# KiCad board ADHW.kicad_pcb (continued)
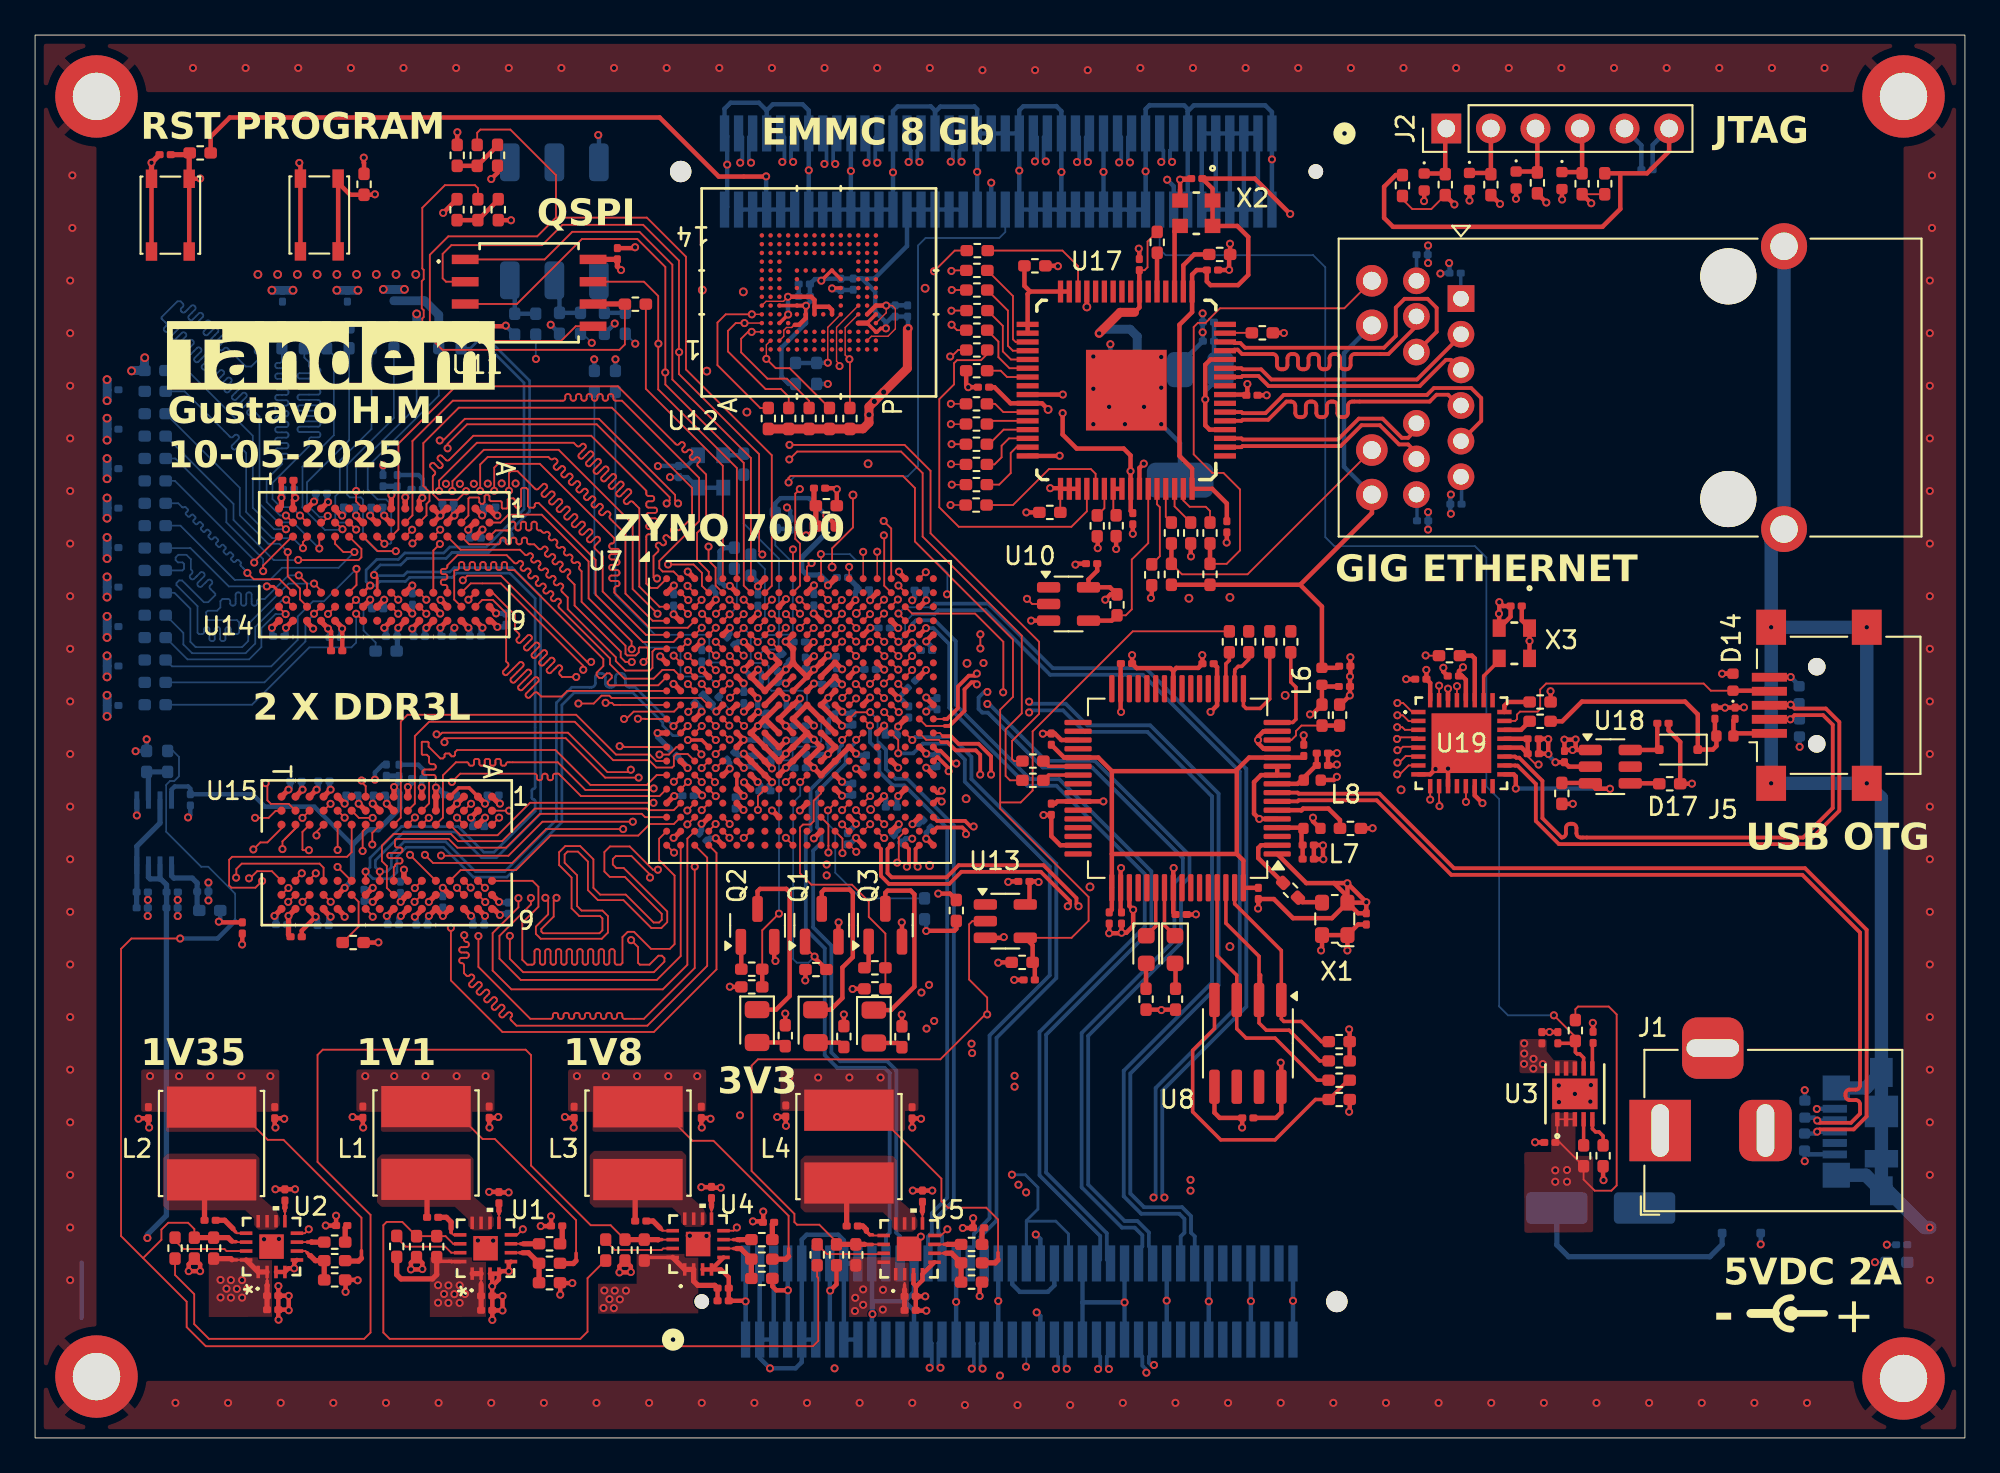
[diagram p0: board, top side]
## Nets (continued)
+3V3: C36.2 C39.2 C41.2 C43.2 C46.2 C48.2 C51.2 C53.2 C56.2 C57.2 C60.2 C61.2 C62.2 C63.2 C64.2 C65.2 C70.2 C76.2 C81.2 C84.2 C89.1 C91.1 C92.1 C96.1 C103.1 C104.1 C105.1 C106.1 C108.1 C110.1 C111.1 C112.1 C113.1 C115.1 C116.1 C117.1 C118.1 C119.1 C178.1 C181.1 C182.1 C197.1 C199.1 J2.6 J6.3 J6.4 J6.5 J6.6 J6.9 J6.10 J6.11 J6.12 J6.15 J6.16 J6.17 J6.18 J7.46 J7.48 J7.50 J7.52 J7.54 L4.2 L7.1 L8.1 R26.1 R28.2 R29.1 R30.2 R31.2 R32.2 R33.2 R45.2 R48.2 R53.2 R54.2 R55.2 R58.2 R65.2 R66.2 R77.2 R79.2 R80.1 R81.2 R82.2 R84.2 R85.2 R89.1 R90.2 R91.2 R94.1 R149.2 R166.2 SW2.6 U7.B6 U7.C19 U7.D7 U7.F18 U7.H14 U7.J17 U7.K6 U7.K20 U7.M6 U7.M16 U7.N6 U7.N19 U7.R6 U7.R15 U7.T6 U7.T8 U7.T18 U7.U11 U7.V14 U7.W7 U7.W17 U7.Y10 U7.Y20 U8.8 U9.20 U9.31 U9.42 U9.50 U9.56 U10.5 U11.8 U12.C2 U12.C6 U12.E6 U12.F5 U12.J10 U12.K9 U12.M4 U12.N4 U12.P3 U12.P5 U13.5 U16.1 U17.23 U17.41 U17.57 U19.20 U19.21 X1.1 X1.4 Y1.1 Y1.4
+5V: C2.2 C3.2 C4.2 C5.2 C17.1 C20.2 C21.2 C22.2 C23.2 C24.2 C32.1 C194.1 R2.1 R7.1 R8.1 R22.1 R23.1 U1.1 U1.2 U1.8 U1.16 U2.1 U2.2 U2.8 U2.16 U3.8 U3.9 U3.10 U4.1 U4.2 U4.8 U4.16 U5.1 U5.2 U5.8 U5.16 U6.6 U6.7 U18.1
+5V_USB: C90.1 J3.1 J4.14 J4.16 L6.1 R155.2 R156.2
+5V_USB_OTG_BUS: C192.1 J5.1 L9.2
+5V_USB_OTG_PHY: C193.1 D17.1 L9.1 R157.2
+12V: C10.1 D1.1 D9.1 R6.1 R14.2 U3.1 U3.2 U3.3
+VCC: J7.3 J7.4 J7.5 J7.6 J7.7 J7.8 J7.9 J7.10 J7.11 J7.12
GND: C1.2 C2.1 C3.1 C4.1 C5.1 C6.1 C7.1 C8.1 C9.1 C10.2 C11.2 C12.2 C15.1 C16.1 C17.2 C18.1 C19.1 C20.1 C21.1 C22.1 C23.1 C24.1 C25.1 C26.1 C27.1 C28.1 C29.1 C32.2 C33.1 C34.1 C35.1 C36.1 C37.1 C38.1 C39.1 C40.1 C41.1 C42.1 C43.1 C44.1 C45.1 C46.1 C47.1 C48.1 C49.1 C50.1 C51.1 C52.1 C53.1 C54.1 C55.1 C56.1 C57.1 C58.1 C59.1 C60.1 C61.1 C62.1 C63.1 C64.1 C65.1 C67.1 C68.1 C69.1 C70.1 C71.1 C72.1 C73.1 C74.1 C75.1 C76.1 C77.1 C78.1 C79.1 C80.1 C81.1 C82.1 C83.1 C84.1 C85.1 C86.1 C87.1 C88.1 C89.2 C90.2 C91.2 C92.2 C93.2 C94.2 C95.2 C96.2 C97.2 C98.2 C99.2 C100.2 C101.2 C102.2 C103.2 C104.2 C105.2 C106.2 C107.2 C108.2 C109.2 C110.2 C111.2 C112.2 C113.2 C114.2 C115.2 C116.2 C117.2 C118.2 C119.2 C120.2 C121.2 C122.2 C123.2 C124.2 C125.2 C126.2 C127.2 C128.2 C129.2 C130.2 C131.2 C132.2 C133.2 C134.2 C135.2 C136.2 C137.2 C138.2 C139.2 C140.2 C141.2 C142.2 C143.2 C144.2 C145.2 C146.2 C147.2 C148.2 C149.2 C150.2 C151.2 C152.2 C153.2 C155.2 C156.2 C157.2 C158.2 C159.2 C160.2 C161.2 C162.2 C163.2 C164.2 C165.2 C166.2 C167.2 C168.2 C169.2 C170.2 C171.2 C172.2 C173.2 C174.2 C175.2 C177.2 C178.2 C179.2 C180.2 C181.2 C182.2 C183.2 C184.2 C185.2 C186.2 C187.2 C188.2 C189.2 C190.2 C191.2 C192.2 C193.2 C194.2 C195.2 C196.2 C197.2 C198.2 C199.2 C200.2 D3.2 D4.2 D5.2 D6.2 D7.2 D8.2 D14.2 D15.2 D16.2 J1.2 J1.3 J2.5 J3.5 J5.5 J6.1 J6.2 J6.7 J6.8 J6.13 J6.14 J6.19 J6.20 J6.25 J6.26 J6.31 J6.32 J6.37 J6.38 J6.43 J6.44 J6.49 J6.50 J6.55 J6.56 J6.61 J6.62 J6.67 J6.68 J6.73 J6.74 J6.79 J6.80 J7.1 J7.2 J7.13 J7.14 J7.19 J7.20 J7.22 J7.24 J7.25 J7.26 J7.28 J7.30 J7.31 J7.32 J7.34 J7.36 J7.37 J7.38 J7.39 J7.41 J7.43 J7.44 J7.49 J7.55 J7.56 J7.58 J7.60 J7.61 J7.62 J7.64 J7.66 J7.67 J7.68 J7.73 J7.79 J7.80 Q1.2 Q2.2 Q3.2 R1.2 R10.2 R12.2 R13.2 R20.1 R25.2 R27.2 R41.1 R42.1 R43.1 R46.1 R49.1 R51.1 R57.1 R73.2 R76.1 R78.2 R92.2 R95.1 R97.1 R122.1 R123.2 R124.2 R143.1 R144.1 R145.1 R146.1 R147.1 R148.2 R151.2 R153.2 R159.2 R160.2 R161.2 R162.2 R163.2 R164.2 R165.2 SW1.2 SW3.2 U1.3 U1.4 U1.5 U1.17 U2.3 U2.4 U2.5 U2.17 U3.11 U4.3 U4.4 U4.5 U4.17 U5.3 U5.4 U5.5 U5.17 U6.1 U7.A8 U7.A18 U7.B1 U7.B11 U7.C4 U7.C9 U7.C14 U7.D17 U7.E10 U7.E20 U7.F3 U7.F7 U7.F10 U7.G10 U7.G12 U7.G16 U7.H7 U7.H9 U7.H11 U7.H13 U7.H19 U7.J2 U7.J8 U7.J10 U7.J12 U7.K5 U7.K7 U7.K9 U7.K10 U7.K11 U7.K13 U7.K15 U7.L8 U7.L9 U7.L10 U7.L12 U7.L18 U7.M1 U7.M7 U7.M9 U7.M10 U7.M11 U7.M13 U7.N4 U7.N8 U7.N10 U7.N12 U7.N14 U7.P7 U7.P9 U7.P11 U7.P13 U7.P17 U7.R8 U7.R12 U7.R20 U7.T3 U7.T7 U7.T13 U7.U6 U7.U16 U7.V9 U7.V19 U7.W2 U7.W12 U7.Y5 U7.Y15 U8.5 U9.1 U9.5 U9.10 U9.11 U9.13 U9.15 U9.25 U9.35 U9.47 U9.51 U10.3 U11.4 U12.A6 U12.C4 U12.E7 U12.G5 U12.J5 U12.K8 U12.N2 U12.N5 U12.P4 U12.P6 U13.3 U14.A9 U14.B1 U14.B3 U14.B9 U14.D1 U14.D8 U14.E1 U14.E2 U14.E8 U14.F9 U14.G1 U14.G8 U14.G9 U14.J2 U14.J8 U14.M1 U14.M9 U14.P1 U14.P9 U14.T1 U14.T9 U15.A9 U15.B1 U15.B3 U15.B9 U15.D1 U15.D8 U15.E1 U15.E2 U15.E8 U15.F9 U15.G1 U15.G8 U15.G9 U15.J2 U15.J8 U15.M1 U15.M9 U15.P1 U15.P9 U15.T1 U15.T9 U16.2 U17.65 U18.2 U19.8 U19.11 U19.33 X1.2 X2.2 X3.2 Y1.2
+VDC: D1.2 J1.1
/1GB DDR3 Module/DDR_ZQ1: R123.1 U14.L8
/1GB DDR3 Module/DDR_ZQ2: R124.1 U15.L8
/Gigabit Ethernet/ETH_DP1_N: J4.10 U17.3
/Gigabit Ethernet/ETH_DP1_P: J4.11 U17.2
/Gigabit Ethernet/ETH_DP2_N: J4.5 U17.6
/Gigabit Ethernet/ETH_DP2_P: J4.4 U17.5
/Gigabit Ethernet/ETH_DP3_N: J4.2 U17.11
/Gigabit Ethernet/ETH_DP3_P: J4.3 U17.10
/Gigabit Ethernet/ETH_DP4_N: J4.9 U17.14
/Gigabit Ethernet/ETH_DP4_P: J4.8 U17.13
/Gigabit Ethernet/ETH_MDC: U17.20
/Gigabit Ethernet/ETH_MDIO: R149.1 U17.21
/Gigabit Ethernet/ETH_PHY_RX_CLK: R138.2 U17.43
/Gigabit Ethernet/ETH_PHY_RX_CTRL: R137.2 U17.53
/Gigabit Ethernet/ETH_PHY_RX_D0: R139.2 U17.44
/Gigabit Ethernet/ETH_PHY_RX_D1: R140.2 U17.45
/Gigabit Ethernet/ETH_PHY_RX_D2: R141.2 U17.46
/Gigabit Ethernet/ETH_PHY_RX_D3: R142.2 U17.47
/Gigabit Ethernet/GREEN_LED_0: J4.15 R154.2 R156.1
/Gigabit Ethernet/GREEN_LED_1: J4.13 R152.2 R155.1
/Gigabit Ethernet/LINK_LED: R152.1 U17.63
/Gigabit Ethernet/MAC_CLK_125MHZ: U17.40
/Gigabit Ethernet/PHY_CLK_125MHZ: U17.22
/Gigabit Ethernet/PHY_OFF_LOW: R166.1 U17.60
/Gigabit Ethernet/RX/TX_LED: R154.1 U17.61
/Mezzanine Connectors/MIO50: J6.76
/Mezzanine Connectors/MIO51: J6.75
/USB 2.0 OTG/USB_HS_DP_N: D16.1 J5.2 U19.19
/USB 2.0 OTG/USB_HS_DP_P: D15.1 J5.3 U19.18
/USB 2.0 OTG/USB_PHY_RBIAS: R159.1 U19.24
/USB 2.0 OTG/USB_PHY_VBUS: R157.1 U19.22
/Zynq Boot mode and JTAG/NINIT: R32.1 U7.R10
/Zynq Boot mode and JTAG/NPROGRAM: R33.1 SW1.1 U7.L6
/Zynq Boot mode and JTAG/TCK: R36.2 U7.F9
/Zynq Boot mode and JTAG/TDI: R28.1 R34.2 U7.G6
/Zynq Boot mode and JTAG/TDO: R35.2 U7.F6
/Zynq Boot mode and JTAG/TMS: R30.1 R37.2 U7.J6
/Zynq DDR and termination/DDR_VRN: R121.2 U7.G5
/Zynq DDR and termination/DDR_VRP: R122.2 U7.H5
/Zynq JTAG progammer and USB to UART/FTDI_NPOR: R62.2 U9.19
/Zynq JTAG progammer and USB to UART/FTDI_RX: R64.2 U9.39
/Zynq JTAG progammer and USB to UART/FTDI_RX_K: D10.1 U9.54
/Zynq JTAG progammer and USB to UART/FTDI_TCK: R59.2 U9.16
/Zynq JTAG progammer and USB to UART/FTDI_TDI: R60.2 U9.17
/Zynq JTAG progammer and USB to UART/FTDI_TDO: R61.2 U9.18
/Zynq JTAG progammer and USB to UART/FTDI_TX: R63.2 U9.38
/Zynq JTAG progammer and USB to UART/FTDI_TX_K: D11.1 U9.55
/Zynq JTAG progammer and USB to UART/FTDI_VPHY: C94.1 C97.1 L7.2 U9.4
/Zynq JTAG progammer and USB to UART/FTDI_VPLL: C95.1 C98.1 L8.2 U9.9
/Zynq JTAG progammer and USB to UART/USB_D_N: D7.1 J3.2 U9.7
/Zynq JTAG progammer and USB to UART/USB_D_P: D8.1 J3.3 U9.8
/Zynq JTAG progammer and USB to UART/USB_UART_NRST: R50.1 R51.2 U9.14
/Zynq Processing System/CLK_33M333: R88.2 Y1.3
/Zynq Processing System/ETH_MDC: U7.C10
/Zynq Processing System/ETH_MDIO: U7.C11
/Zynq Processing System/ETH_NINT: U7.E12
/Zynq Processing System/ETH_NRST: U7.C17 U10.2
/Zynq Processing System/MIO43: U7.A9
/Zynq Processing System/MIO44: U7.F13
/Zynq Processing System/MIO45: U7.B15
/Zynq Processing System/MIO46: U7.D16
/Zynq Processing System/MIO47: U7.B14
/Zynq Processing System/MIO48: U7.B12
/Zynq Processing System/MIO49: U7.C12
/Zynq Processing System/MIO50: U7.B13
/Zynq Processing System/MIO51: U7.B9
/Zynq Processing System/MIO_VREF_0V9: C107.1 R75.1 R76.2 U7.E11
/Zynq Processing System/PS_CLK_33M333: R88.1 U7.E7
/Zynq Processing System/PS_LED: R73.1 R74.1 U7.E6
/Zynq Processing System/QSPI_CLK: R86.1 U7.A5
/Zynq Processing System/QSPI_NCS: U7.A7 U11.1
/Zynq Processing System/SD_CLK: U7.D9 U12.M6
/Zynq Processing System/SD_CMD: R84.1 U7.C6 U12.M5
/Zynq Processing System/SD_D0: R77.1 U7.E9 U12.A3
/Zynq Processing System/SD_D1: R79.1 U7.E8 U12.A4
/Zynq Processing System/SD_D2: R81.1 U7.C5 U12.A5
/Zynq Processing System/SD_D3: R82.1 U7.C8 U12.B2
/Zynq Processing System/VCFG0: R78.1 U7.D8
/Zynq Programmable Logic/LED_PL: R92.1 R93.1 U7.T12
/Zynq Programmable Logic/NPUDC: R91.1 U7.U13
/Zynq Programmable Logic/PL_B35_IO25: U7.J15
/Zynq Programmable Logic/PL_CLK_125MHZ: U7.K17
/Zynq PWR/PG_1V1: R7.2 R15.1 R162.1 U1.14
/Zynq PWR/PG_1V8: R3.1 R22.2 R163.1 U4.14
/Zynq PWR/PG_1V35: R8.2 R16.1 R19.2 R165.1 U2.14
DDR_A0: R106.2 U7.N2 U14.N3 U15.N3
DDR_A1: R107.2 U7.K2 U14.P7 U15.P7
DDR_A2: R108.2 U7.M3 U14.P3 U15.P3
DDR_A3: R109.2 U7.K3 U14.N2 U15.N2
DDR_A4: R110.2 U7.M4 U14.P8 U15.P8
DDR_A5: R111.2 U7.L1 U14.P2 U15.P2
DDR_A6: R112.2 U7.L4 U14.R8 U15.R8
DDR_A7: R113.2 U7.K4 U14.R2 U15.R2
DDR_A8: R114.2 U7.K1 U14.T8 U15.T8
DDR_A9: R115.2 U7.J4 U14.R3 U15.R3
DDR_A10: R116.2 U7.F5 U14.L7 U15.L7
DDR_A11: R117.2 U7.G4 U14.R7 U15.R7
DDR_A12: R118.2 U7.E4 U14.N7 U15.N7
DDR_A13: R119.2 U7.D4 U14.T3 U15.T3
DDR_A14: R120.2 U7.F4 U14.T7 U15.T7
DDR_BA0: R103.2 U7.L5 U14.M2 U15.M2
DDR_BA1: R104.2 U7.R4 U14.N8 U15.N8
DDR_BA2: R105.2 U7.J5 U14.M3 U15.M3
DDR_CK_N: R96.1 U7.M2 U14.K7 U15.K7
DDR_CK_P: R96.2 U7.L2 U14.J7 U15.J7
DDR_CKE: R98.2 U7.N3 U14.K9 U15.K9
DDR_DM0: U7.A1 U14.E7
DDR_DM1: U7.F1 U14.D3
DDR_DM2: U7.T1 U15.E7
DDR_DM3: U7.Y1 U15.D3
DDR_DQ0: U7.C1 U14.E3
DDR_DQ1: U7.E1 U14.F7
DDR_DQ2: U7.B3 U14.F2
DDR_DQ3: U7.D3 U14.F8
DDR_DQ4: U7.A4 U14.H3
DDR_DQ5: U7.C3 U14.H8
DDR_DQ6: U7.A2 U14.G2
DDR_DQ7: U7.D1 U14.H7
DDR_DQ8: U7.H2 U14.D7
DDR_DQ9: U7.G3 U14.C3
DDR_DQ10: U7.H1 U14.C8
DDR_DQ11: U7.E2 U14.C2
DDR_DQ12: U7.J3 U14.A7
DDR_DQ13: U7.E3 U14.A2
DDR_DQ14: U7.J1 U14.B8
DDR_DQ15: U7.H3 U14.A3
DDR_DQ16: U7.R3 U15.E3
DDR_DQ17: U7.U4 U15.F7
DDR_DQ18: U7.R1 U15.F2
DDR_DQ19: U7.U3 U15.F8
DDR_DQ20: U7.P1 U15.H3
DDR_DQ21: U7.U2 U15.H8
DDR_DQ22: U7.P3 U15.G2
DDR_DQ23: U7.V1 U15.H7
DDR_DQ24: U7.V2 U15.D7
DDR_DQ25: U7.Y4 U15.C3
DDR_DQ26: U7.Y3 U15.C8
DDR_DQ27: U7.V3 U15.C2
DDR_DQ28: U7.W1 U15.A7
DDR_DQ29: U7.Y2 U15.A2
DDR_DQ30: U7.T4 U15.B8
DDR_DQ31: U7.W3 U15.A3
DDR_DQS0_N: U7.B2 U14.G3
DDR_DQS0_P: U7.C2 U14.F3
DDR_DQS1_N: U7.F2 U14.B7
DDR_DQS1_P: U7.G2 U14.C7
DDR_DQS2_N: U7.T2 U15.G3
DDR_DQS2_P: U7.R2 U15.F3
DDR_DQS3_N: U7.W5 U15.B7
DDR_DQS3_P: U7.W4 U15.C7
DDR_NCAS: R101.2 U7.P5 U14.K3 U15.K3
DDR_NCS: R99.2 U7.N1 U14.L2 U15.L2
DDR_NDRST: R95.2 U7.B4 U14.T2 U15.T2
DDR_NRAS: R100.2 U7.P4 U14.J3 U15.J3
DDR_NWE: R102.2 U7.M5 U14.L3 U15.L3
DDR_ODT: R97.2 U7.N5 U14.K1 U15.K1
DONE: J7.42 Q1.1 R31.1 U7.R11
Earth: C1.1 H1.1 H2.1 H3.1 H4.1 J3.6 J4.SH J5.6 R1.1
ETH_NRST_+3V3: R85.1 U10.4 U17.59
ETH_PHY_TX_CLK: R67.2 U17.30
ETH_PHY_TX_CTRL: R72.2 U17.52
ETH_PHY_TX_D0: R68.2 U17.38
ETH_PHY_TX_D1: R69.2 U17.37
ETH_PHY_TX_D2: R70.2 U17.36
ETH_PHY_TX_D3: R71.2 U17.35
ETH_RX_CLK: R138.1 U7.B17
ETH_RX_CTRL: R137.1 U7.D13
ETH_RX_D0: R139.1 U7.D11
ETH_RX_D1: R140.1 U7.A16
ETH_RX_D2: R141.1 U7.F15
ETH_RX_D3: R142.1 U7.A15
FLASH_CLK_M4: R47.1 R86.2 U11.6
MIO49: J6.65
PG_3V3: J7.16 R23.2 R164.1 U5.14 U13.2
PL_B34_L4_N: J7.63 U7.W13
PL_B34_L4_P: J7.65 U7.V12
PL_B34_L7_N: J7.51 U7.Y17
PL_B34_L7_P: J7.53 U7.Y16
PL_B34_L8_N: J7.69 U7.Y14
PL_B34_L8_P: J7.71 U7.W14
PL_B34_L10_N: J7.45 U7.W15
PL_B34_L10_P: J7.47 U7.V15
PL_B34_L11_N: J7.75 U7.U15
PL_B34_L11_P: J7.77 U7.U14
PL_B34_L14_N: J7.15 U7.P20
PL_B34_L14_P: J7.17 U7.N20
PL_B34_L15_N: J7.27 U7.U20
PL_B34_L15_P: J7.29 U7.T20
PL_B34_L16_N: J7.21 U7.W20
PL_B34_L16_P: J7.23 U7.V20
PL_B34_L17_N: J7.33 U7.Y19
PL_B34_L17_P: J7.35 U7.Y18
PL_B34_L18_N: J7.57 U7.W16
PL_B34_L18_P: J7.59 U7.V16
PL_B34_L22_N: U7.W19
PL_B34_L22_P: U7.W18
PL_B35_IO25: J6.40 J6.46
PL_B35_L3_N: J6.57 U7.D18
PL_B35_L3_P: J6.59 U7.E17
PL_B35_L5_N: J6.52 U7.E19
PL_B35_L5_P: J6.54 U7.E18
PL_B35_L6_N: J6.58 U7.F17
PL_B35_L6_P: J6.60 U7.F16
PL_B35_L7_N: J6.29 U7.M20
PL_B35_L7_P: J6.27 U7.M19
PL_B35_L8_N: J6.36 U7.M18
PL_B35_L8_P: J6.34 U7.M17
PL_B35_L9_N: J6.35 U7.L20
PL_B35_L9_P: J6.33 U7.L19
PL_B35_L11_N: J6.41 U7.L17
PL_B35_L13_N: U7.H17
PL_B35_L13_P: U7.H16
PL_B35_L14_N: J6.47 U7.H18
PL_B35_L14_P: J6.45 U7.J18
PL_B35_L16_N: J6.53 U7.G18
PL_B35_L16_P: J6.51 U7.G17
PL_B35_L20_N: J6.64 U7.J14
PL_B35_L20_P: J6.66 U7.K14
PL_B35_L22_N: J6.28 U7.L15
PL_B35_L22_P: J6.30 U7.L14
PL_B35_L23_N: J6.24 U7.M15
PL_B35_L23_P: J6.22 U7.M14
PL_B35_L24_N: J6.42 J6.48 U7.J16
PS_NPOR: C114.1 J7.40 R62.1 R90.1 U7.C7 U13.4
PS_NRST: C109.1 R83.1 R87.1 SW3.1 U7.B10
PWR_EN: C11.1 J7.18 R6.2 U3.7
QSPI_DQ0_M3: R44.1 U7.B8 U11.5
QSPI_DQ1_M1: R39.1 U7.D6 U11.2
QSPI_DQ2_M2: R40.1 U7.B7 U11.3
QSPI_DQ3_M0: R38.1 U7.A6 U11.7
TCK: R59.1
TDI: R60.1
TDO: R61.1
UART1_RX: R63.1 U7.B5
UART1_TX_VCFG1: R64.1 R66.1 U7.D5
USB_CLK: U7.A11 U19.1
USB_DATA0: U7.A14 U19.3
USB_DATA1: U7.D15 U19.4
USB_DATA2: U7.A12 U19.5
USB_DATA3: U7.F12 U19.6
USB_DATA4: U7.C16 U19.7
USB_DATA5: U7.A10 U19.9
USB_DATA6: U7.E13 U19.10
USB_DATA7: U7.C18 U19.13
USB_DIR: U7.C13 U19.31
USB_NRST: R158.2 U7.D14
USB_NXT: U7.E16 U19.2
USB_STP: U7.C15 U19.29
Net-(C8-Pad2): C8.2 R4.2
Net-(C9-Pad2): C9.2 R5.2
Net-(C13-Pad2): C13.2 L1.1 U1.10 U1.11 U1.12
Net-(C14-Pad2): C14.2 L2.1 U2.10 U2.11 U2.12
Net-(C27-Pad2): C27.2 R17.2
Net-(C28-Pad2): C28.2 R18.2
Net-(C30-Pad2): C30.2 L3.1 U4.10 U4.11 U4.12
Net-(C31-Pad2): C31.2 L4.1 U5.10 U5.11 U5.12
Net-(D2-A): D2.2 R29.2
Net-(D2-K): D2.1 Q1.3
Net-(D3-K): D3.1 J2.1 R34.1
Net-(D4-K): D4.1 J2.2 R35.1
Net-(D5-K): D5.1 J2.3 R36.1
Net-(D6-K): D6.1 J2.4 R37.1
Net-(D9-A): C93.1 D9.2 L6.2 R50.2
Net-(D10-A): D10.2 R58.1
Net-(D11-A): D11.2 R65.1
Net-(D12-A): D12.2 R80.2
Net-(D12-K): D12.1 Q2.3
Net-(D13-A): D13.2 R94.2
Net-(D13-K): D13.1 Q3.3
Net-(D14-K): D14.1 J5.4 U19.23
Net-(D17-A): C198.1 D17.2 U18.6
Net-(J4-MXCT1): C187.1 J4.12
Net-(J4-MXCT2): C188.1 J4.6
Net-(J4-MXCT3): C189.1 J4.1
Net-(J4-MXCT4): C191.1 J4.7
Net-(Q2-G): Q2.1 R74.2
Net-(Q3-G): Q3.1 R93.2
Net-(R38-Pad2): R38.2 R41.2 SW2.1
Net-(R39-Pad2): R39.2 R42.2 SW2.2
Net-(R40-Pad2): R40.2 R43.2 SW2.3
Net-(R44-Pad2): R44.2 R45.1 R46.2
Net-(R47-Pad2): R47.2 R48.1 R49.2
Net-(U1-BOOT): C13.1 U1.13
Net-(U1-EN): R2.2 U1.15
Net-(U1-FB): R9.2 R10.1 U1.6
Net-(U1-ITH): R4.1 U1.7
Net-(U1-SS): C6.2 U1.9
Net-(U2-BOOT): C14.1 U2.13
Net-(U2-EN): R3.2 U2.15
Net-(U2-FB): R11.2 R12.1 U2.6
Net-(U2-ITH): R5.1 U2.7
Net-(U2-SS): C7.2 U2.9
Net-(U3-ILIM): R13.1 U3.5
Net-(U3-SS): C12.1 U3.6
Net-(U3-VCP): R14.1 U3.4
Net-(U4-BOOT): C30.1 U4.13
Net-(U4-EN): R15.2 U4.15
Net-(U4-FB): R24.2 R25.1 U4.6
Net-(U4-ITH): R17.1 U4.7
Net-(U4-SS): C25.2 U4.9
Net-(U5-BOOT): C31.1 U5.13
Net-(U5-EN): R16.2 U5.15
Net-(U5-FB): R26.2 R27.1 U5.6
Net-(U5-ITH): R18.1 U5.7
Net-(U5-SS): C26.2 U5.9
Net-(U6-EN): R19.1 R20.2 U6.2
Net-(U6-VDDQ): C29.2 R21.2 U6.5
Net-(U7F-PS_MIO16_501): R67.1 U7.A19
Net-(U7F-PS_MIO17_501): R68.1 U7.E14
Net-(U7F-PS_MIO18_501): R69.1 U7.B18
Net-(U7F-PS_MIO19_501): R70.1 U7.D10
Net-(U7F-PS_MIO20_501): R71.1 U7.A17
Net-(U7F-PS_MIO21_501): R72.1 U7.F14
Net-(U8-CS): R53.1 U8.1 U9.63
Net-(U8-DI): R56.2 U8.3 U9.61
Net-(U8-DO): R55.1 R56.1 U8.4
Net-(U8-SCLK): R54.1 U8.2 U9.62
Net-(U9-OSCI): R52.2 U9.2
Net-(U9-REF): R57.2 U9.6
Net-(U12B-RST_N): R87.2 R89.2 U12.K5
Net-(U17-COL_GPIO): R145.2 U17.55 U17.56
Net-(U17-LED_1): R153.1 U17.62
Net-(U17-RBIAS): R148.1 U17.15
Net-(U17-RX_D4_GPIO): R144.2 U17.48 U17.49 U17.50 U17.51
Net-(U17-RX_ER_GPIO): R147.2 U17.54
Net-(U17-TX_D4): R143.2 U17.31 U17.32 U17.33 U17.34
Net-(U17-TX_ER): R146.2 U17.39
Net-(U17-XI): U17.19 X2.3
Net-(U17-XO): R151.1 U17.18
Net-(U18-EN): R160.1 U18.3 U19.17
Net-(U18-ILIM): R161.1 U18.4
Net-(U19-REFCLK): U19.26 X3.3
Net-(U19-RESETB): R158.1 U19.27
Net-(X1-OUT): R52.1 X1.3

Pads without a net: J3 4; J6 21 23 39 63 69 70 71 72 77 78; SW2 4 5; U7 A20 B19 B20 C20 D19 D20 F19 F20 G14 G15 G19 G20 H15 H20 J19 J20 K16 K18 K19 L16 N15 N16 N17 N18 P14 P15 P16 P18 P19 R14 R16 R17 R18 R19 T5 T9 T10 T11 T14 T15 T16 T17 T19 U5 U7 U8 U9 U10 U12 U17 U18 U19 V5 V6 V7 V8 V10 V11 V13 V17 V18 W6 W8 W9 W10 W11 Y6 Y7 Y8 Y9 Y11 Y12 Y13; U8 6 7; U9 3 21 22 23 24 26 27 28 29 30 32 33 34 36 40 41 43 44 45 46 48 52 53 57 58 59 60; U10 1; U12 A1 A2 A7 A8 A9 A10 A11 A12 A13 A14 B1 B3 B4 B5 B6 B7 B8 B9 B10 B11 B12 B13 B14 C1 C3 C5 C7 C8 C9 C10 C11 C12 C13 C14 D1 D2 D3 D4 D12 D13 D14 E1 E2 E3 E5 E8 E9 E10 E12 E13 E14 F1 F2 F3 F10 F12 F13 F14 G1 G2 G3 G10 G12 G13 G14 H1 H2 H3 H5 H10 H12 H13 H14 J1 J2 J3 J12 J13 J14 K1 K2 K3 K6 K7 K10 K12 K13 K14 L1 L2 L3 L12 L13 L14 M1 M2 M3 M7 M8 M9 M10 M11 M12 M13 M14 N1 N3 N6 N7 N8 N9 N10 N11 N12 N13 N14 P1 P2 P7 P8 P9 P10 P11 P12 P13 P14; U13 1; U14 J1 J9 L1 L9 M7; U15 J1 J9 L1 L9 M7; U17 1 7 9 16 24 25 26 27 28; U18 5; U19 12 15 16 25

## Via types
v1: diameter 0.457, hole 0.254, Top to Bottom, 1041 vias
v2: diameter 0.5, hole 0.3, Top to Bottom, 60 vias

## Routing (per net, layer and track width the routed paths; a pad name or vN(x,y) marks a point on that pad's centre or on a via; arc(x,y) is an arc through that point)
+0V675: length 10.3
  Bottom w0.3: U6.3 7.12,35.06 5.8,33.74 U6.8 5.8,31.14 C34.2 C37.2
  Bottom w0.5: C127.1 22.2,64.85 23.01,64.04 R100.1
+0V675_REF: length 90.8
  Top w0.102: v1(16.7,46.99) 17.1,47.39 U14.M8
  Top w0.3: v1(40.4,38.21) 40.01,38.6 U7.P6 ; v1(20.46,37.12) 20.46,36.58 20.44,36.57 ; U7.H6 40.02,43.4 v1(40.39,43.03) ; U15.M8 v1(17.64,31.37) ; v1(20.31,53.77) 20.31,53.27 20.3,53.26 U14.H1
  In2.Cu w0.3: v1(16.7,46.99) 16.7,47.4 16.4,47.7 15.4,47.7 15.1,47.4 15.1,40.6 12.4,37.9 12.4,36.7 13.1,36 16,36 18,34 18,31.72 v1(17.64,31.37)
  In3.Cu w0.127: v1(40.4,38.21) 40.8,38.61 40.8,42.65 40.42,43.03 v1(40.39,43.03) 39.98,42.62 38.45,42.62 38.4,42.57
  In3.Cu w0.254: v1(20.46,37.12) 20.46,39.52 21.91,40.97 24.34,40.97 25.47,39.84 31.4,39.84 33.37,41.81 36.72,41.81 37.25,42.34 38.17,42.34 38.4,42.57
  In3.Cu w0.3: v1(20.31,53.77) 20.31,52.97 20.58,52.7 20.58,52.31 20.04,51.77 19.57,51.77 18.97,51.17 17.63,51.17 16.7,50.24 v1(16.7,46.99)
  Bottom w0.254: U6.4 7.78,36.97 7.96,37.15 8.72,37.15 8.85,37.02 8.85,36.71 12.39,36.71 13.1,36 15.92,36 18.09,33.83
  Bottom w0.3: v1(40.39,43.03) 40.4,43.02 C132.1 ; C155.1 C154.2 20.65,54.26 20.65,54.11 v1(20.31,53.77) ; v1(17.64,31.37) 18.09,31.81 18.09,33.83 18.94,34.68 19.56,34.68 20.8,35.91 20.8,36.78 v1(20.46,37.12) 20.8,37.45 20.8,37.7 C176.2 20.03,37.75 C177.1 ; v1(40.4,38.21) 40.48,38.29 C133.1
+1V1: length 42.8
  Top w0.102: 30.84,10.53 30.84,12.41 26.21,17.05 25.51,17.05 23.9,18.65 22.34,18.65
  Top w0.2: 30.84,10.1 30.84,10.53
  Top w0.254: U17.8 69,59.5 C183.1 69.1,59.52 v1(69.1,60.1) ; C185.1 54.68,59.92 55.6,59 U17.42 57.39,59 v2(57.74,58.65) ; v2(59.95,64.5) U17.29 ; v1(63.19,55.56) 62.95,55.32 U17.58
  Top w0.3: v1(41.21,41.4) 41.19,41.4 40.8,41.01 U7.L7 ; U7.G11 44,44.22 44.36,44.58 v1(44.4,44.58) ; v1(41.19,37.4) 41.19,37.41 40.8,37.8 U7.R7 40.83,37.8 ; U7.M12 44.81,40.2 45.6,39.41 U7.N13 U7.P12 ; v1(46,43.83) 45.63,44.2 U7.G13 45.58,44.2 44.8,43.42 U7.H12 ; v1(41.19,42.18) 40.8,42.57 U7.J7 ; v1(42,38.18) 41.6,38.58 U7.P8 U7.N7 40.8,39.41 ; U7.R13 45.61,37.8 v1(46,37.42) ; 29.93,9.94 30.68,9.94 30.84,10.1 ; v1(45.99,40.61) 45.99,40.63 45.62,41 U7.L13 U7.K12 v1(45.2,42.2) U7.J13 ; v1(42.8,43.02) 42.82,43.02 U7.H10 ; v1(40.41,43.82) 40.79,44.2 U7.G7
  Bottom w0.254: C82.2 44.61,39 v1(45.2,39) 45.24,39.04 C55.2
  Bottom w0.3: C49.2 45.74,43.83 v1(46,43.83) ; C44.2 45.07,42.07 v1(45.2,42.2) ; v1(42.8,43.02) 42.72,43.1 C50.2 ; C58.2 46.55,40.61 v1(45.99,40.61) ; v1(40.41,43.82) 40.42,43.82 C77.2 ; v1(42,38.18) 42,38.59 C45.2 ; v1(41.19,37.4) 41.36,37.23 41.36,36.98 C59.2 ; v1(41.19,42.18) 41.19,41.42 v1(41.21,41.4) 41.3,41.31 C40.2 ; C71.2 44.32,44.5 v1(44.4,44.58) ; C54.2 46.09,37.32 v1(46,37.42)
  vias: v1(18.82,20.63) v1(20.47,20.63) v1(22.25,20.63) v1(24.03,20.63) v1(25.68,20.63)
+1V8: length 126.9
  Top w0.102: 42.95,10.78 42.95,12.66 38.67,16.95 37.47,16.95 35.52,18.9 34.45,18.9
  Top w0.2: 42.95,10.35 42.95,10.78
  Top w0.254: v1(82.5,36.2) 82.06,36.64 U19.14 ; C200.1 84.74,46.62 X3.1 v1(85.18,45.44) X3.4 ; v1(45.1,52.6) 45.7,52 R75.2 ; U19.28 81.55,43.24 81.34,43.45 C195.1 81.16,43.72 v1(81.39,43.95) ; R83.2 10.01,74.21 11.1,75.3 35.6,75.3 38.97,71.93 41.66,71.93 v1(41.67,71.94) ; U19.30 v1(80.54,42.73) ; v1(79.3,43.8) 79.31,43.79 C196.1 79.52,43.05 U19.32 ; C186.1 67.93,53.29 67.09,54.12 U17.64 65.95,55.28 65.23,56 65.23,63.48 65.95,64.2 U17.17 65.95,66.34 66.21,66.6 C184.1 66.79,65.95 67,65.74 68.57,65.74 69.15,66.32 69.15,68.49 68.53,69.11 X2.4 X2.1 67.11,71.23 C190.1 69.53,71.81 v1(71.54,69.8)
  Top w0.3: v1(44.38,47.01) 44.39,47.01 U7.D12 ; U7.N11 U7.P10 43.17,38.6 v1(42.8,38.22) 42.4,37.82 U7.R9 ; U7.E15 47.21,45.8 v1(47.61,46.2) ; v1(44.38,45.39) 44.38,45.39 44,45.01 U7.F11 ; v1(42.82,42.19) 42.81,42.19 U7.J9 U7.K8 41.62,41.8 ; 41.56,43.4 U7.H8 U7.G9 42.4,44.23 42.03,44.6 v1(41.97,44.6) 41.6,44.97 U7.F8 ; 42.04,10.19 42.79,10.19 42.95,10.35 ; v1(47.59,47.77) 47.59,47.79 U7.B16 ; v1(44.39,40.62) 44.02,41 U7.L11 ; v1(44.39,43.02) 44,42.62 U7.J11 ; U7.M8 U7.N9 42.44,39.4 v1(42.81,39.77) ; U7.A13 45.22,48.62 v1(45.19,48.62)
  In3.Cu w0.102: 80.54,42.77 80.54,43.61 80.88,43.95 v1(81.39,43.95)
  Bottom w0.254: J7.78 J7.70 ; v1(45.1,52.6) 44.11,53.59 42.49,53.59 42.19,53.29 L5.1 ; J7.74 41.67,70.08 v1(41.67,71.94)
  Bottom w0.3: v1(42.81,39.77) 43.27,39.77 C67.2 ; v1(41.97,44.6) 42.45,44.6 C52.2 ; C42.2 45.25,48.62 v1(45.19,48.62) 45.19,48.76 44.73,49.23 44.71,49.21 43.99,49.21 43.7,49.5 43.7,50.21 45.1,51.61 v1(45.1,52.6) ; C79.2 44.39,40.61 v1(44.39,40.62) ; v1(42.82,42.19) 42.82,41.75 C80.2 ; v1(44.39,43.02) 44.83,43.02 C74.2 ; C68.2 47.59,48.3 v1(47.59,47.77) ; v1(44.38,45.39) C47.2 ; v1(47.61,46.2) 48.07,46.2 C75.2 ; v1(44.38,47.01) 44.38,47.47 C86.2 ; v1(42.8,38.22) 42.81,38.21 C88.2
  vias: v1(30.89,20.63) v1(32.54,20.63) v1(34.31,20.63) v1(36.09,20.63) v1(37.74,20.63)
+1V8_FTDI: length 38.3
  Top w0.254: 61.38,38.02 68.43,38.02 68.5,38.1 ; 61.38,38.02 60.6,38.8 U9.37 58.66,38.8 C101.1 ; 61.38,38.02 61.38,33.3 ; 68.5,33.3 68.88,32.92 U9.64 68.88,31.37 C100.1 ; 68.5,33.3 61.38,33.3 ; 68.5,33.3 68.5,38.1 ; 61.38,33.3 U9.49 61.38,30.12 C99.1 ; C102.1 72.22,38.8 U9.12 69.2,38.8 68.5,38.1
+1V8_PLL: length 10.5
  Top w0.102: 41.6,44.21 v1(41.21,44.6)
  Bottom w0.102: L5.2 42.19,50.9 43.19,49.9 43.19,45.96 43.04,45.81 42.61,45.81 42.38,45.58 42.38,45.2 42.14,44.96 41.57,44.96 v1(41.21,44.6)
  Bottom w0.254: C73.2 42.98,51.84 L5.2
+1V35: length 77.8
  Top w0.102: U14.A8 25.9,47.4 ; 18.6,10.68 18.6,12.56 14.16,17 13.26,17 11.47,18.79 10.1,18.79
  Top w0.2: 18.6,10.25 18.6,10.68
  Top w0.254: v1(10.47,29.44) 10.52,29.4 C157.1 ; C158.1 14.73,53.71 v1(14.83,53.61) 14.7,53.48 U14.R1 ; C159.1 16.87,45.98 v1(16.7,46.15)
  Top w0.3: 37.6,48.98 U7.A3 v1(37.2,49.4) ; v1(35.63,44.57) U7.G1 ; U7.E5 v1(39.6,46.2) ; U7.R5 39.22,37.8 v1(39.59,38.17) ; U7.L3 38,41.39 v1(38,41.42) ; 23.5,46.61 23.1,46.21 ; U14.F1 21.9,53.44 v1(22.07,53.61) ; U7.P2 36.8,38.59 v1(37.19,38.2) ; 17.69,10.09 18.44,10.09 18.6,10.25 ; v1(36.43,36.6) 36.4,36.6 U7.U1 ; v1(22.04,37.09) 22.04,36.62 22.05,36.62 U15.F1 ; C141.1 14.44,28.69 v1(14.44,29.77) U15.R9 ; v1(37.99,35.02) 38.03,35.02 38.4,35.39 U7.V4 ; 16.3,46.61 16.3,46.56 16.7,46.16 ; v1(20.05,29.77) 20.44,30.16 20.44,30.17 ; 24.44,30.17 v1(24.84,29.77) ; 23.45,52.2 24.25,53 U14.C1 ; v1(26.5,36.17) 26.44,36.17 U15.A1 ; 24.44,36.57 v1(24.05,36.17) U15.D2 ; U15.N1 v1(16.84,36.97) ; 25.9,47.4 v1(26.28,47.02) ; U15.K8 v1(19.25,31.37) ; U14.N1 16.33,53 v1(16.7,53.37) ; v1(21.5,48.61) 21.1,48.21 U14.G7 ; v1(24.84,35.37) U15.B2 ; v1(24.69,51.79) 24.69,51.84 25.05,52.2 ; 18.25,52.6 18.65,52.2 U14.K2 ; U15.D9 v1(23.25,29.77) U15.E9 22.84,30.16 v1(22.45,29.77) ; U14.A1 25.9,52.95 26.25,52.6 26.3,52.6 ; U14.H9 19.9,46.2 ; U14.K8 v1(19.1,47.8) ; 19.85,52.6 20.25,52.2 U14.H2 ; U15.G7 21.02,31.99 v1(21.02,32.41) ; v1(38.01,43.79) U7.H4 ; U15.N9 16.45,30.12 v1(16.84,29.72) ; 14.7,46.61 14.3,46.21 ; v1(18.44,36.17) U15.K2 ; U15.R1 v1(15.25,36.97) ; U7.D2 36.77,46.6 v1(36.39,46.97) ; U15.A8 v1(26.44,30.57) ; 24.3,46.61 24.7,46.21 ; U14.E9 22.3,46.2 ; v1(20.05,36.17) 20.44,35.77
  In5.Cu w0.127: U7.G1 37.6,44.2
  In5.Cu w0.254: v1(35.63,44.57) U7.G1 ; 37.6,44.2 v1(38.01,43.79)
  Bottom w0.254: C169.1 22.13,38.1 21.84,38.39 C176.1 ; C148.1 22.1,54.67 21.86,54.91 C154.1 ; v1(10.47,29.44) 10.55,29.52 R21.1 ; R121.1 v1(33.08,61.51)
  Bottom w0.3: v1(24.69,51.79) 24.77,51.71 C144.1 ; C142.1 18.24,52.66 v1(18.3,52.6) ; C69.2 37.19,38.26 v1(37.19,38.2) ; C173.1 24.96,35.25 v1(24.84,35.37) ; C136.1 21.51,48.6 v1(21.5,48.61) ; v1(21.02,32.41) 21.02,31.92 C156.1 ; v1(16.84,29.72) 16.74,29.61 C164.1 ; C147.1 22.22,46.11 v1(22.3,46.2) ; v1(20.05,29.77) 20.1,29.71 C166.1 ; v1(19.9,46.2) 20,46.1 C149.1 ; v1(36.39,46.97) 36.39,47.46 C83.2 ; C175.1 26.43,36.23 v1(26.5,36.17) ; v1(39.59,38.17) 39.59,38.49 C137.1 ; C151.1 24.78,46.12 v1(24.7,46.2) ; v1(19.25,31.37) 19.14,31.26 C160.1 ; v1(38,41.42) 38,41.59 37.68,41.9 ; v1(38.01,43.79) 38.01,44.27 C78.2 ; v1(22.07,53.61) 22.07,54.07 C148.1 ; v1(16.7,46.15) 16.79,46.06 C139.1 ; C146.1 19.81,52.69 v1(19.9,52.6) ; v1(23.9,52.6) 23.86,52.64 C150.1 ; v1(22.45,29.77) 22.37,29.69 C168.1 ; C138.1 14.76,53.68 v1(14.83,53.61) ; C143.1 14.3,45.8 v1(14.3,46.2) ; C163.1 16.78,37.03 v1(16.84,36.97) ; v1(22.04,37.09) 22.04,37.52 C169.1 ; v1(39.6,46.2) 39.6,45.84 C87.2 ; C165.1 18.44,36.59 v1(18.44,36.17) ; v1(19.1,47.8) 19.1,47.39 C145.1 ; C152.1 26.24,52.71 v1(26.35,52.6) ; v1(23.1,46.2) 23.1,45.78 C153.1 ; v1(26.44,30.57) 26.48,30.53 C174.1 ; C171.1 24,36.21 v1(24.05,36.17) ; v1(20.05,36.17) 20.05,36.55 C167.1 ; v1(16.7,53.37) 16.64,53.43 C140.1 ; C161.1 15.19,37.02 v1(15.25,36.97) ; v1(37.99,35.02) 37.99,34.64 C72.2 ; C162.1 14.44,29.34 v1(14.44,29.77) ; C170.1 23.25,30.24 v1(23.25,29.77) ; C134.1 26.83,47.02 v1(26.28,47.02) ; C172.1 24.96,29.65 v1(24.84,29.77) ; C85.2 36.88,36.6 v1(36.43,36.6)
  vias: v1(6.55,20.63) v1(8.2,20.63) v1(9.98,20.63) v1(11.76,20.63) v1(13.41,20.63)
+2V5: length 10.9
  Top w0.254: U17.12 67,61.5 66.7,61.2 v1(66.7,59.22) 66.7,57.75 66.95,57.5 U17.4
  Bottom w0.254: C179.1 C180.1 67.2,61.29 U16.3 67.57,60.57 66.7,59.7 v1(66.7,59.22)
+3V3: length 554.3
  Top w0.076: 43.17,63.37 43.12,63.32 42.83,63.32 42.67,63.17 42.67,62.82 U12.C2
  Top w0.102: 43.31,63.47 43.28,63.47 43.17,63.37 ; C197.1 85.08,38.87 85.55,38.4 v1(85.7,38.4) ; 54.89,10.57 54.89,12.45 54.21,13.13 52.03,13.13 51.66,13.5 51.66,14.78 47.75,18.69 L4.2 ; v1(41.2,35.81) 41.2,36.6 U7.T8 ; R149.2 63.41,68.23 63.41,66.76 63.24,66.59 C182.1 ; 42.8,34.2 U7.Y10 ; 40.42,34.22 U7.W7
  Top w0.2: U12.E6 43.94,64.57 ; 43.94,64.57 v1(43.94,64.56) 43.92,64.54 U12.F5 ; 43.94,64.57 U12.C6 ; U12.P5 U12.N4 U12.P3 48,63.07 48.2,63.27 v1(48.5,63.27) ; v1(44.81,65.99) 45.4,66.57 U12.J10 U12.K9 ; U7.R6 U7.T6 ; 54.89,10.14 54.89,10.57